# KiCad board kim-1.kicad_pcb (continued)
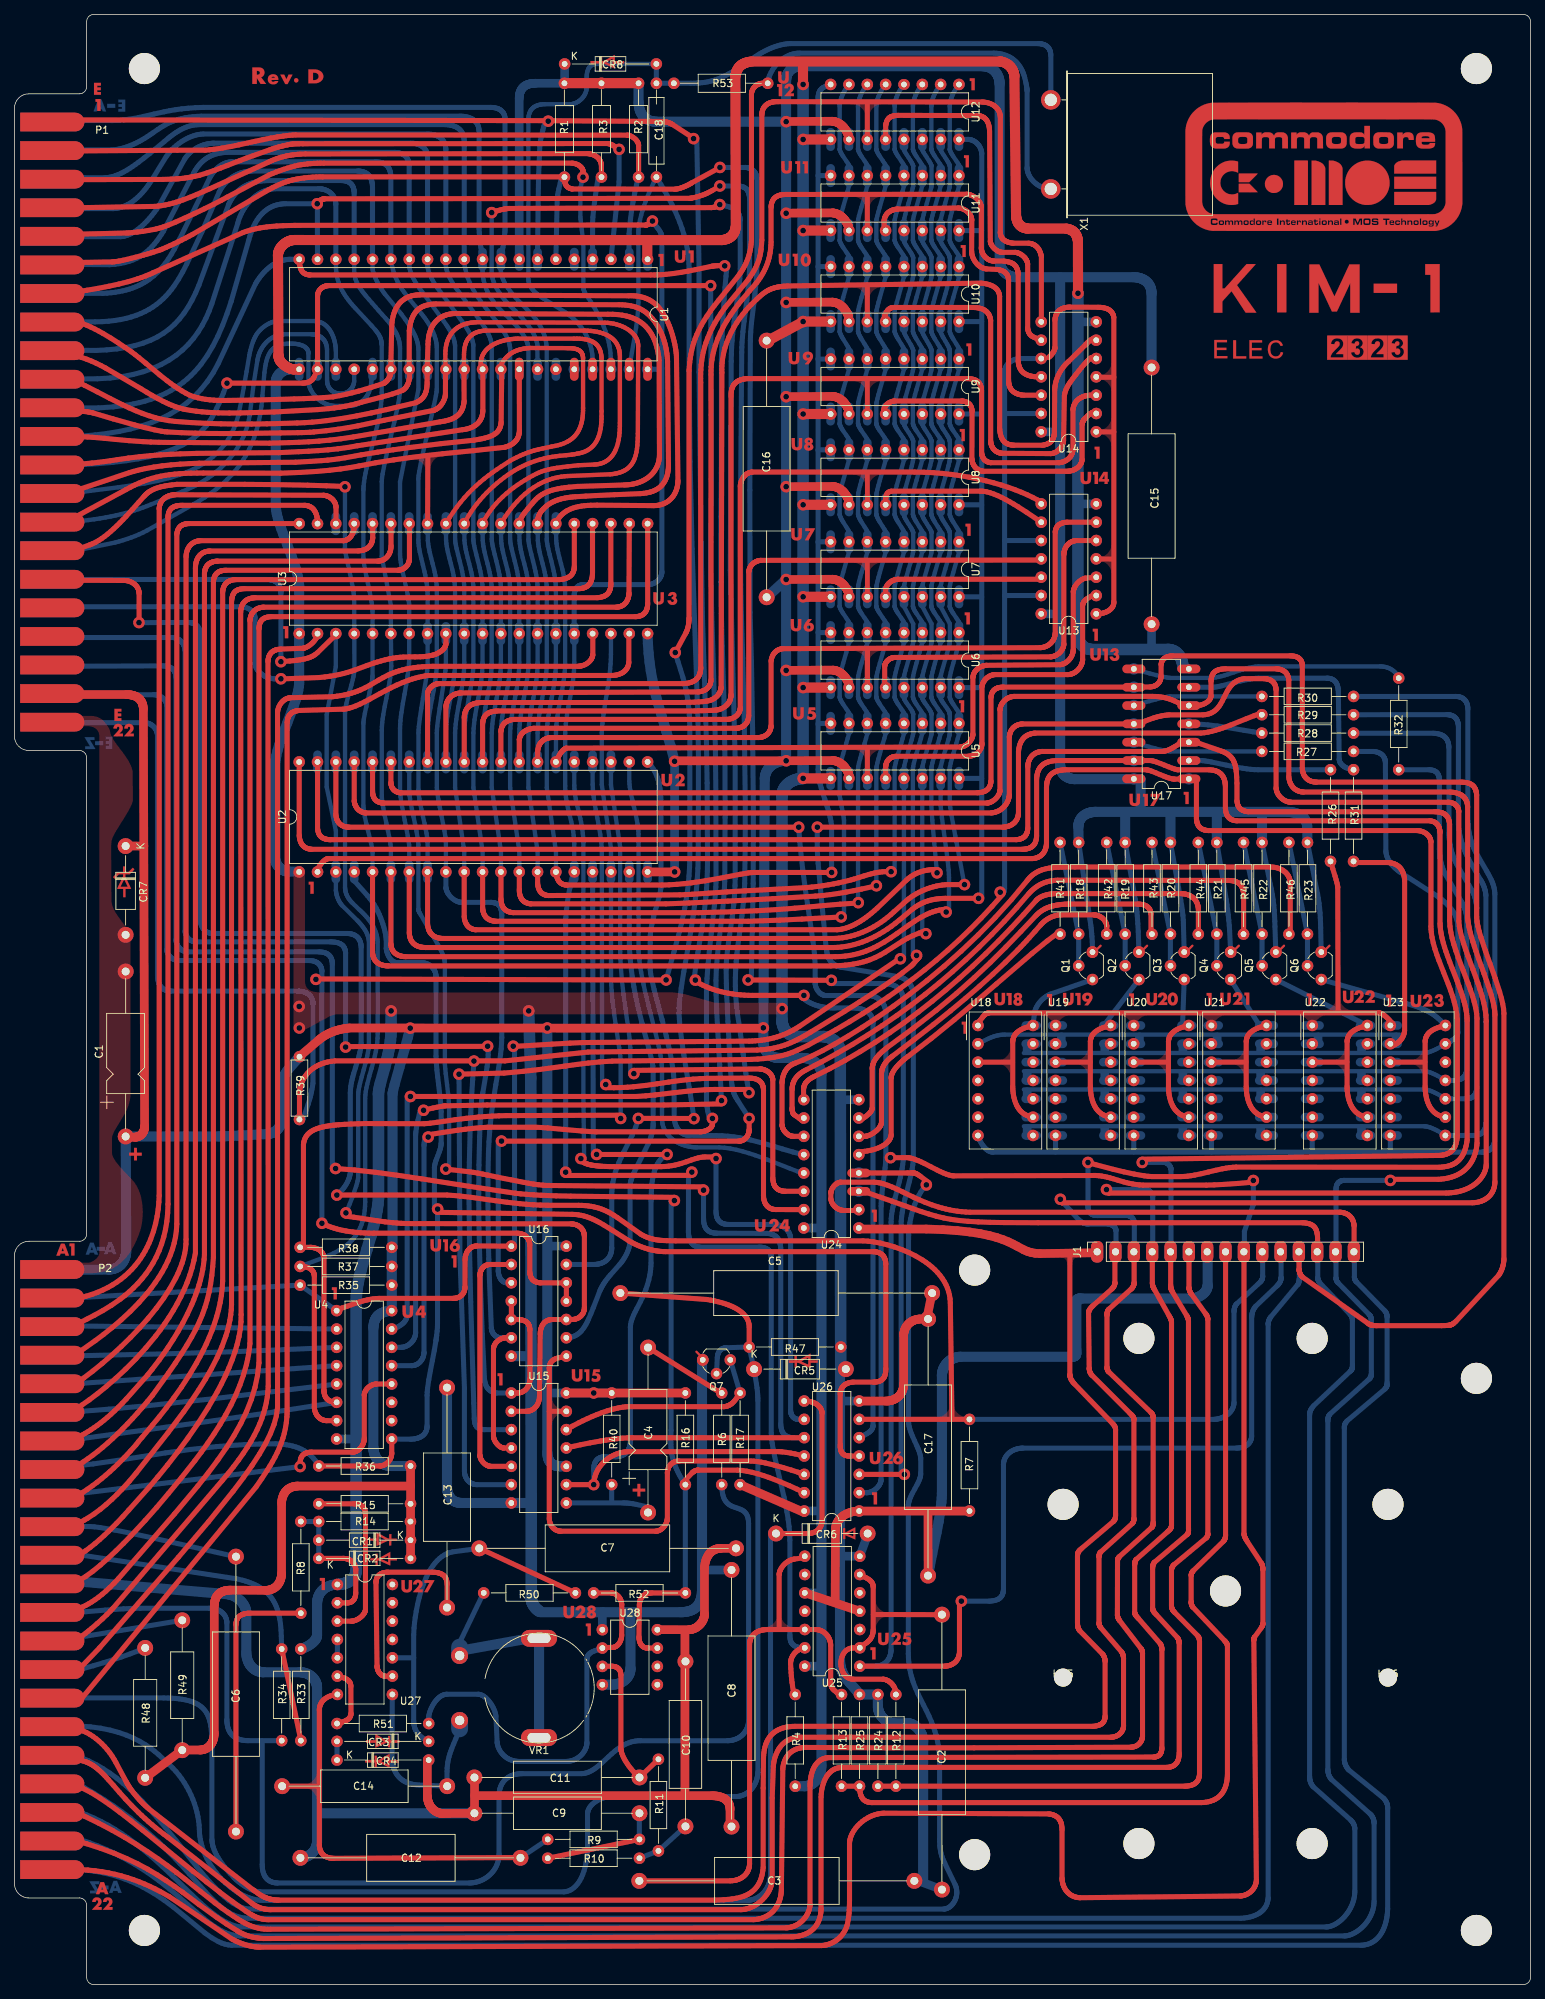
[diagram p0: board, top side]
## Routing (per net, layer and track width the routed paths; a pad name or vN(x,y) marks a point on that pad's centre or on a via; arc(x,y) is an arc through that point) (continued)
/ROW0: length 277.9
  Top w0.7: 146.19,101.46 146.19,84.53 146.19,84.48 146.19,84.43 146.2,84.38 146.2,84.33 146.21,84.28 146.22,84.24 146.24,84.15 146.27,84.06 146.31,83.97 146.35,83.89 146.39,83.8 146.44,83.73 146.49,83.65 146.54,83.57 146.6,83.5 146.66,83.42 146.72,83.35 146.85,83.21 152.01,77.85 152.11,77.74 152.21,77.63 152.26,77.58 152.3,77.52 152.34,77.47 152.37,77.41 152.41,77.36 152.43,77.3 152.46,77.23 152.48,77.16 152.5,77.09 152.51,77.01 152.52,76.92 152.52,76.82 152.52,65.3 152.52,65.11 152.52,65.02 152.51,64.94 152.51,64.85 152.5,64.78 152.49,64.7 152.47,64.63 152.46,64.57 152.44,64.5 152.42,64.47 152.41,64.44 152.4,64.41 152.38,64.38 152.36,64.35 152.34,64.32 152.32,64.29 152.3,64.27 152.28,64.24 152.25,64.21 152.23,64.18 152.2,64.16 147.84,60.45 147.68,60.31 147.62,60.25 147.55,60.19 147.5,60.13 147.45,60.07 147.41,60.02 147.37,59.96 147.34,59.9 147.33,59.87 147.32,59.84 147.31,59.81 147.3,59.77 147.28,59.7 147.26,59.63 147.25,59.55 147.25,59.46 147.24,59.36 147.24,50.13 147.25,49.99 147.25,49.85 147.26,49.78 147.27,49.71 147.28,49.64 147.29,49.57 147.31,49.5 147.33,49.43 147.36,49.36 147.39,49.29 147.43,49.22 147.47,49.15 147.52,49.08 147.57,49.01 150.68,45.84 150.72,45.79 150.76,45.74 150.8,45.68 150.84,45.62 150.87,45.57 150.9,45.5 150.93,45.44 150.96,45.37 150.98,45.3 151,45.23 151.02,45.16 151.04,45.09 151.05,45.01 151.06,44.93 151.07,44.86 151.07,44.78 151.07,37.2 151.07,37.11 151.06,37.03 151.05,36.95 151.04,36.88 151.02,36.8 151,36.73 150.98,36.66 150.95,36.6 150.92,36.53 150.89,36.47 150.86,36.42 150.82,36.36 150.77,36.31 150.73,36.26 150.68,36.21 150.62,36.17 150.57,36.12 150.51,36.08 150.44,36.05 150.38,36.01 150.31,35.98 150.23,35.95 150.07,35.9 149.9,35.85 149.72,35.82 149.52,35.8 149.31,35.78 108.09,35.78 107.76,35.77 107.44,35.75 107.15,35.71 106.87,35.66 106.6,35.6 106.35,35.52 106.12,35.44 105.9,35.35 105.69,35.24 105.49,35.13 105.31,35.01 105.14,34.88 104.99,34.74 104.84,34.59 104.71,34.44 104.59,34.28 104.47,34.12 104.37,33.95 104.28,33.78 104.19,33.61 104.12,33.43 104.05,33.25 103.94,32.88 103.86,32.51 103.8,32.14 103.77,31.77 103.75,31.42 103.71,27.21 103.71,16.2 103.67,15.82 103.61,15.47 103.54,15.13 103.45,14.82 103.35,14.52 103.24,14.25 103.11,13.99 102.97,13.75 102.82,13.53 102.66,13.33 102.48,13.14 102.3,12.97 102.1,12.82 101.89,12.67 101.68,12.54 101.45,12.43 101.22,12.32 100.98,12.23 100.48,12.07 99.95,11.95 99.39,11.86 98.82,11.8 98.24,11.76 97.04,11.7 36.62,11.7 36.43,11.71 36.25,11.72 36.08,11.74 35.92,11.76 35.76,11.78 35.61,11.81 35.46,11.84 35.32,11.87 35.18,11.91 35.05,11.95 34.92,12 34.8,12.05 34.68,12.09 34.57,12.14 34.36,12.25 34.16,12.36 33.97,12.48 33.79,12.6 33.63,12.72 33.31,12.95 33.16,13.06 33.01,13.16 18.62,24.34 18.34,24.58 18.08,24.82 17.81,25.07 17.56,25.33 17.32,25.58 17.09,25.84 16.88,26.09 16.67,26.35 16.47,26.6 16.29,26.84 16.12,27.08 15.96,27.31 15.82,27.52 15.69,27.73 15.58,27.93 15.48,28.11 14.06,30.75 13.8,31.23 13.51,31.69 13.19,32.13 12.85,32.56 12.49,32.98 12.11,33.37 11.71,33.74 11.29,34.08 10.86,34.39 10.42,34.68 9.98,34.93 9.52,35.14 9.06,35.32 8.83,35.39 8.6,35.45 8.37,35.5 8.14,35.54 7.91,35.57 7.68,35.58
  Top w1.2: 117.07,104.69 126.28,104.69 128.6,104.61 130.6,104.47 132.31,104.28 133.78,104.06 135.02,103.8 136.06,103.51 136.93,103.22 137.67,102.92 138.3,102.62 138.84,102.33 139.81,101.82 140.28,101.61 140.79,101.45 141.37,101.34 142.03,101.29 149.99,101.41
/ROW1: length 370.9
  Top w0.7: 116.94,107.26 114.93,107.26 114.83,107.27 114.72,107.28 114.63,107.3 114.53,107.32 114.44,107.34 114.34,107.37 114.26,107.4 114.17,107.44 114.09,107.48 114.01,107.52 113.93,107.57 113.86,107.62 113.79,107.67 113.72,107.72 113.66,107.78 113.6,107.84 113.49,107.96 113.39,108.09 113.3,108.22 113.23,108.36 113.17,108.49 113.13,108.63 113.1,108.77 113.08,108.91 113.08,109.65 113.08,109.72 113.09,109.79 113.1,109.85 113.12,109.92 113.14,109.99 113.16,110.05 113.21,110.18 113.27,110.31 113.35,110.44 113.43,110.56 113.52,110.67 113.62,110.77 113.72,110.87 113.78,110.91 113.84,110.95 113.89,110.99 113.95,111.03 114.01,111.06 114.07,111.09 114.13,111.11 114.2,111.14 114.26,111.15 114.32,111.17 114.39,111.18 114.45,111.18 119.12,111.18 119.41,111.16 119.71,111.11 120.01,111.05 120.31,110.97 120.94,110.76 121.59,110.5 122.27,110.2 122.98,109.86 124.49,109.12 125.3,108.75 126.16,108.39 127.06,108.04 128.01,107.73 128.51,107.59 129.01,107.47 129.53,107.35 130.07,107.25 130.62,107.17 131.18,107.1 131.77,107.05 132.36,107.02 183.53,107.02 183.64,107.02 183.74,107.01 183.85,107 183.95,106.98 184.05,106.96 184.15,106.93 184.24,106.9 184.34,106.87 184.42,106.84 184.51,106.8 184.59,106.75 184.67,106.7 184.75,106.65 184.83,106.6 184.9,106.54 184.96,106.48 185.03,106.42 185.09,106.35 185.15,106.28 185.2,106.21 185.25,106.13 185.3,106.05 185.34,105.97 185.38,105.89 185.42,105.8 185.45,105.71 185.48,105.62 185.5,105.52 185.52,105.42 185.54,105.33 185.55,105.22 185.56,105.12 185.56,101.51
  Bottom w0.7: 185.6,101.57 185.6,98.07 185.6,98.02 185.6,97.98 185.61,97.93 185.61,97.88 185.63,97.84 185.64,97.79 185.65,97.74 185.67,97.7 185.69,97.65 185.71,97.61 185.73,97.57 185.76,97.52 185.79,97.48 185.82,97.44 185.86,97.4 185.9,97.36 189.77,93.39 189.83,93.33 189.88,93.27 189.93,93.21 189.96,93.15 190,93.09 190.02,93.03 190.05,92.98 190.07,92.92 190.08,92.86 190.1,92.81 190.1,92.75 190.11,92.69 190.12,92.64 190.12,92.58 190.13,92.46 190.13,83.41 190.13,83.25 190.12,83.18 190.12,83.11 190.11,83.05 190.1,83 190.1,82.97 190.09,82.94 190.08,82.92 190.08,82.89 190.07,82.87 190.06,82.84 190.04,82.82 190.03,82.79 190.02,82.77 190,82.74 189.99,82.72 189.97,82.69 189.95,82.67 189.93,82.64 189.88,82.59 189.82,82.53 189.76,82.47 184.57,78.09 184.48,77.98 184.41,77.88 184.38,77.83 184.34,77.78 184.32,77.73 184.29,77.68 184.27,77.62 184.25,77.56 184.24,77.5 184.22,77.43 184.21,77.36 184.21,77.28 184.2,77.19 184.21,77.09 184.21,31.23 184.21,31.13 184.21,31.03 184.23,30.93 184.25,30.83 184.27,30.73 184.3,30.63 184.33,30.53 184.37,30.43 184.42,30.34 184.46,30.25 184.51,30.15 184.57,30.06 184.63,29.98 184.69,29.89 184.75,29.81 184.82,29.73 189.63,25.83 189.73,25.72 189.81,25.62 189.88,25.52 189.95,25.42 190,25.32 190.05,25.23 190.09,25.14 190.12,25.05 190.15,24.97 190.17,24.88 190.18,24.8 190.2,24.71 190.2,24.63 190.21,24.54 190.21,24.46 190.21,24.38 190.21,10.5 190.18,9.96 190.15,9.7 190.12,9.45 190.07,9.2 190.03,8.95 189.97,8.71 189.91,8.48 189.84,8.26 189.77,8.04 189.69,7.83 189.6,7.63 189.51,7.43 189.41,7.24 189.3,7.06 189.19,6.89 189.06,6.73 188.94,6.57 188.8,6.43 188.66,6.29 188.52,6.16 188.36,6.05 188.2,5.94 188.03,5.84 187.86,5.75 187.68,5.68 187.49,5.61 187.3,5.55 187.1,5.51 186.9,5.48 186.68,5.46 186.47,5.45 30.08,5.45 29.62,5.49 29.17,5.6 28.71,5.75 28.25,5.95 27.33,6.48 26.38,7.15 22.03,10.72 20.74,11.69 19.34,12.62 17.81,13.5 17,13.91 16.15,14.29 15.26,14.64 14.33,14.96 13.36,15.24 12.35,15.48 11.29,15.67 10.18,15.82 9.03,15.92 7.82,15.96
/ROW2: length 348.5
  Top w0.7: 180.47,101.52 180.47,101.93 180.48,102.32 180.5,103.06 180.5,103.41 180.48,103.74 180.47,103.9 180.45,104.05 180.42,104.19 180.38,104.33 180.34,104.47 180.29,104.59 180.24,104.71 180.17,104.83 180.09,104.93 180,105.03 179.9,105.12 179.79,105.21 179.67,105.28 179.53,105.35 179.38,105.41 179.21,105.46 179.03,105.5 178.83,105.53 178.62,105.55 178.39,105.56 141.8,105.56 137.03,105.59 135.14,105.62 133.51,105.68 132.1,105.76 130.86,105.88 129.74,106.03 128.7,106.23 127.69,106.47 126.67,106.77 125.58,107.12 124.39,107.53 121.48,108.57 117.57,109.92
  Bottom w0.7: 180.52,101.57 180.52,97.94 180.52,97.89 180.53,97.84 180.53,97.8 180.54,97.75 180.55,97.7 180.56,97.66 180.58,97.61 180.6,97.57 180.62,97.52 180.64,97.48 180.66,97.44 180.69,97.39 180.72,97.35 180.75,97.31 180.78,97.27 180.82,97.23 185,92.86 185.06,92.8 185.11,92.74 185.15,92.68 185.19,92.63 185.22,92.57 185.24,92.52 185.26,92.47 185.28,92.41 185.29,92.36 185.3,92.31 185.31,92.26 185.31,92.21 185.32,92.1 185.33,91.98 185.32,85.9 185.32,85.74 185.32,85.67 185.32,85.6 185.32,85.54 185.31,85.48 185.3,85.43 185.29,85.4 185.29,85.37 185.28,85.35 185.27,85.32 185.26,85.3 185.25,85.27 185.24,85.25 185.22,85.22 185.21,85.2 185.19,85.17 185.17,85.14 185.15,85.12 185.13,85.09 185.1,85.06 185.05,85 184.98,84.94 179.95,80.2 179.76,79.95 179.71,79.89 179.67,79.82 179.62,79.75 179.58,79.67 179.54,79.6 179.5,79.52 179.47,79.43 179.44,79.35 179.42,79.26 179.41,79.16 179.4,79.07 179.4,79.02 179.4,78.97 179.4,28.83 179.4,28.73 179.4,28.63 179.41,28.53 179.42,28.44 179.44,28.34 179.46,28.25 179.48,28.16 179.51,28.07 179.55,27.98 179.59,27.89 179.63,27.8 179.68,27.72 179.73,27.64 179.78,27.56 179.85,27.48 179.91,27.4 185.07,22.82 185.13,22.75 185.2,22.68 185.26,22.61 185.31,22.54 185.37,22.46 185.41,22.39 185.46,22.31 185.5,22.23 185.54,22.15 185.57,22.06 185.6,21.98 185.62,21.9 185.64,21.81 185.65,21.73 185.66,21.64 185.66,21.56 185.66,12.96 185.65,12.71 185.63,12.46 185.6,12.21 185.55,11.96 185.49,11.72 185.43,11.49 185.35,11.26 185.26,11.03 185.16,10.81 185.06,10.6 184.94,10.39 184.82,10.19 184.69,9.99 184.56,9.8 184.42,9.62 184.27,9.45 184.12,9.28 183.96,9.13 183.8,8.98 183.64,8.84 183.48,8.71 183.31,8.59 183.14,8.48 182.97,8.38 182.8,8.29 182.63,8.21 182.47,8.14 182.3,8.08 182.13,8.04 181.97,8.01 181.81,7.99 181.66,7.98 31.41,7.98 30.88,8.05 30.35,8.19 29.82,8.4 29.27,8.66 28.72,8.97 28.17,9.34 27.02,10.22 25.84,11.25 24.6,12.41 21.95,14.99 20.52,16.35 19.01,17.71 17.41,19.04 15.72,20.32 14.84,20.93 13.93,21.51 13,22.06 12.03,22.58 11.04,23.06 10.02,23.5 8.97,23.89 7.89,24.24
/ROW3: length 243
  Top w0.7: 116.95,112.47 123.71,112.47 124.13,112.47 124.29,112.47 124.43,112.47 124.56,112.46 124.62,112.45 124.68,112.44 124.73,112.43 124.79,112.41 124.85,112.39 124.91,112.36 124.97,112.33 125.03,112.3 125.17,112.21 125.33,112.11 125.52,111.97 126.66,111.11
  Bottom w0.7: 126.3,110.82 126.03,110.51 125.78,110.17 125.54,109.81 125.31,109.42 125.09,109.01 124.89,108.57 124.7,108.11 124.53,107.63 124.38,107.14 124.25,106.62 124.13,106.1 124.03,105.56 123.95,105 123.89,104.44 123.86,103.86 123.84,103.28 123.84,78.01 123.85,77.86 123.86,77.7 123.92,77.38 124,77.04 124.11,76.71 124.23,76.37 124.37,76.02 124.68,75.34 124.99,74.66 125.13,74.34 125.26,74.02 125.37,73.71 125.45,73.41 125.51,73.12 125.52,72.99 125.53,72.85 125.53,70.84 125.53,70.71 125.51,70.58 125.49,70.45 125.46,70.32 125.43,70.19 125.38,70.05 125.27,69.78 125.15,69.51 125.01,69.23 124.7,68.67 124.38,68.09 124.24,67.8 124.1,67.51 123.99,67.22 123.94,67.07 123.9,66.93 123.87,66.78 123.84,66.63 123.82,66.49 123.81,66.34 123.81,45.83 123.83,45.27 123.87,44.73 123.93,44.21 124.01,43.72 124.11,43.24 124.22,42.78 124.35,42.34 124.49,41.91 124.8,41.08 125.15,40.29 125.9,38.77 126.29,38 126.67,37.22 127.02,36.41 127.35,35.54 127.5,35.09 127.64,34.62 127.76,34.13 127.87,33.62 127.97,33.09 128.05,32.54 128.11,31.96 128.14,31.35 128.14,20.17 128.16,19.75 128.18,19.34 128.19,19.13 128.22,18.93 128.24,18.72 128.28,18.52 128.32,18.31 128.37,18.1 128.43,17.89 128.49,17.68 128.57,17.46 128.66,17.24 128.76,17.02 128.87,16.8 130.29,13.85 130.36,13.7 130.41,13.55 130.45,13.4 130.49,13.24 130.51,13.09 130.52,12.94 130.53,12.79 130.52,12.64 130.51,12.5 130.49,12.35 130.46,12.21 130.43,12.07 130.38,11.94 130.33,11.81 130.28,11.68 130.22,11.55 130.15,11.44 130.08,11.32 130,11.21 129.92,11.11 129.83,11.02 129.74,10.93 129.65,10.84 129.55,10.77 129.45,10.7 129.35,10.64 129.25,10.59 129.14,10.54 129.03,10.51 128.92,10.48 128.82,10.47 128.71,10.46 32.6,10.46 32.03,10.52 31.45,10.68 30.86,10.94 30.27,11.27 29.67,11.69 29.06,12.19 28.44,12.75 27.82,13.38 26.54,14.79 25.21,16.39 22.39,19.93 20.89,21.79 19.32,23.63 17.68,25.41 16.83,26.26 15.96,27.08 15.07,27.87 14.16,28.61 13.22,29.3 12.26,29.93 11.28,30.5 10.27,31 9.24,31.43 8.18,31.78
  vias: v1(126.31,110.81)
/SYNC: length 308.8
  Top w0.7: 94.1,255.82 91.2,257.72 91.11,257.77 91.03,257.82 90.95,257.86 90.86,257.91 90.78,257.94 90.69,257.98 90.6,258.01 90.52,258.04 90.43,258.07 90.33,258.09 90.24,258.11 90.15,258.13 90.05,258.14 89.96,258.15 89.86,258.16 89.77,258.16 73.92,258.28 7.14,258.39 ; 94.13,139.19 94.53,138.93 94.94,138.69 95.38,138.46 95.84,138.25 96.32,138.06 96.82,137.89 97.33,137.73 97.85,137.59 98.39,137.47 98.93,137.36 99.47,137.27 100.03,137.2 100.58,137.14 101.13,137.1 101.68,137.08 102.23,137.07 109.36,137.07
  Bottom w0.7: 72.45,239.06 72.46,240.67 72.58,249.88 72.61,250.84 72.66,252.1 72.77,254.81 72.78,254.96 72.8,255.13 72.87,255.53 72.96,255.99 73.07,256.48 73.19,256.98 73.31,257.45 73.43,257.87 73.54,258.21 ; 117.01,75.77 117.15,75.85 117.29,75.93 117.61,76.09 117.77,76.17 117.93,76.26 118.08,76.35 118.23,76.44 118.31,76.49 118.38,76.54 118.44,76.59 118.51,76.65 118.57,76.7 118.62,76.76 118.68,76.82 118.73,76.89 118.77,76.95 118.81,77.02 118.84,77.09 118.87,77.17 118.89,77.24 118.91,77.32 118.92,77.41 118.92,77.49 118.92,133.2 118.92,133.35 118.9,133.49 118.88,133.63 118.85,133.76 118.82,133.88 118.78,134 118.73,134.11 118.67,134.22 118.61,134.32 118.55,134.41 118.48,134.5 118.4,134.59 118.32,134.67 118.23,134.74 118.14,134.81 118.04,134.87 117.94,134.93 117.84,134.99 117.62,135.08 117.38,135.16 117.14,135.23 116.89,135.27 116.63,135.3 116.36,135.32 116.09,135.33 113.62,135.33 113.33,135.33 113.05,135.34 112.78,135.36 112.52,135.38 112.28,135.42 112.04,135.45 111.81,135.49 111.6,135.54 111.4,135.59 111.2,135.65 111.02,135.71 110.84,135.77 110.68,135.83 110.52,135.89 110.37,135.96 110.24,136.02 110.11,136.09 109.99,136.16 109.88,136.22 109.78,136.28 109.61,136.4 109.47,136.51 109.36,136.6 109.28,136.67 109.22,136.73 ; 94.51,255.79 94.83,237.8 94.83,223.45 95.11,199.89 95.31,188.95 95.68,177.73 95.85,172.03 95.94,166.5 96,155.6 95.98,154.28 95.93,153.03 95.86,151.85 95.77,150.73 95.55,148.64 95.28,146.71 94.67,143.03 94.38,141.16 94.12,139.19
  vias: v1(73.94,258.21) v1(94.07,255.79) v1(94.31,139.19) v1(109.35,137.07)
/~{IRQ}: length 89
  Top w0.7: 7.63,246.2 19.4,246.4 19.9,246.44 20.4,246.51 20.9,246.6 21.39,246.7 21.89,246.83 22.38,246.98 22.87,247.13 23.36,247.3 24.33,247.67 25.27,248.06 27.07,248.85 35.11,252.5 35.42,252.65 35.73,252.78 36.04,252.91 36.36,253.02 36.67,253.13 37,253.22 37.32,253.31 37.64,253.38 37.97,253.44 38.3,253.5 38.63,253.55 38.96,253.59 39.29,253.62 39.63,253.64 40.3,253.67 79.39,253.72 79.53,253.7 79.66,253.68 79.78,253.66 79.9,253.63 80.01,253.6 80.12,253.57 80.22,253.53 80.31,253.48 80.4,253.44 80.49,253.39 80.57,253.34 80.64,253.29 80.71,253.23 80.78,253.17 80.84,253.11 80.89,253.05 80.95,252.99 81,252.93 81.04,252.87 81.08,252.81 81.12,252.74 81.15,252.68 81.2,252.56 81.24,252.44 81.27,252.32 81.29,252.21 81.3,252.12 81.31,250.46
  Bottom w0.7: 80.86,250.48 80.48,247.92 80.33,246.87 80.21,245.83 80.12,244.9 80.08,244.17 80.08,239.06
/~{RDY}: length 95.5
  Top w0.7: 86.46,250.46 86.46,254.86 86.45,254.92 86.44,254.98 86.43,255.04 86.41,255.11 86.39,255.17 86.36,255.23 86.33,255.29 86.3,255.35 86.26,255.41 86.22,255.47 86.13,255.58 86.02,255.69 85.91,255.8 85.79,255.89 85.66,255.98 85.53,256.06 85.4,256.13 85.26,256.18 85.19,256.21 85.12,256.23 85.06,256.24 84.99,256.26 84.92,256.27 84.85,256.27 38.97,256.3 38.53,256.28 38.1,256.25 37.67,256.2 37.24,256.15 36.81,256.08 36.39,256.01 35.54,255.87 34.41,255.65 33.3,255.41 31.09,254.92 29.97,254.7 28.83,254.49 27.65,254.31 27.04,254.24 26.42,254.18 22.59,254.18 7.74,254.08
  Bottom w0.7: 85.16,239.05 85.11,241.82 85.14,242.61 85.21,243.56 85.33,244.63 85.48,245.79 85.68,246.99 85.9,248.2 86.16,249.37 86.3,249.93 86.45,250.46
/~{RES}: length 329.7
  Top w0.7: 107.94,40.28 107.77,41.39 107.71,41.85 107.66,42.29 107.61,42.74 107.57,43.23 107.54,43.8 107.5,44.47 107.5,44.59 107.51,44.71 107.53,44.82 107.55,44.94 107.58,45.05 107.61,45.15 107.65,45.26 107.69,45.36 107.74,45.46 107.8,45.55 107.85,45.64 107.91,45.73 107.98,45.82 108.05,45.9 108.12,45.98 108.19,46.05 108.27,46.12 108.34,46.19 108.43,46.25 108.51,46.31 108.59,46.37 108.67,46.42 108.76,46.46 108.84,46.51 108.93,46.54 109.01,46.58 109.1,46.61 109.18,46.63 109.27,46.65 109.35,46.66 109.43,46.67 109.51,46.68 ; 8.42,234.53 10.02,234.78 11.57,235.04 13.05,235.33 14.47,235.64 15.8,235.98 17.04,236.35 17.62,236.55 18.18,236.76 18.7,236.98 19.2,237.2 31.67,242.78 32.13,242.95 32.59,243.09 33.05,243.21 33.52,243.32 34,243.41 34.47,243.49 34.94,243.55 35.41,243.6 36.33,243.68 37.22,243.73 38.85,243.77 86.34,243.82 87.41,243.8 87.44,243.81 87.48,243.81 87.52,243.81 87.55,243.82 87.62,243.84 87.69,243.86 87.76,243.89 87.83,243.92 87.9,243.96 87.97,244 88.03,244.05 88.09,244.09 88.15,244.14 88.2,244.19 88.25,244.24 88.3,244.28 88.34,244.33 88.38,244.38 ; 76.36,112.12 93.77,112.13
  Bottom w0.127: 89.59,223.83 89.68,223.92
  Bottom w0.6: 77.54,187.18 77.54,183.19 77.53,182.53 77.49,181.89 77.44,181.26 77.36,180.64 77.17,179.43 76.96,178.24 76.73,177.06 76.53,175.88 76.44,175.28 76.37,174.68 76.32,174.06 76.28,173.44 76.28,166.07 76.3,165.5 76.34,164.96 76.4,164.45 76.48,163.96 76.57,163.48 76.67,163.02 76.89,162.11 77.11,161.2 77.21,160.74 77.31,160.25 77.39,159.75 77.46,159.23 77.51,158.68 77.54,158.09 77.54,154.21
  Bottom w0.7: 88.37,244.37 88.46,244.22 88.55,244.09 88.65,243.95 88.76,243.81 88.97,243.54 89.08,243.4 89.19,243.27 89.29,243.13 89.38,242.99 89.46,242.84 89.5,242.77 89.53,242.7 89.57,242.62 89.59,242.54 89.62,242.47 89.64,242.39 89.66,242.31 89.67,242.23 89.68,242.14 89.68,242.06 89.68,223.92 89.68,195.82 89.68,195.72 89.67,195.63 89.66,195.54 89.64,195.45 89.62,195.36 89.59,195.27 89.56,195.18 89.52,195.1 89.48,195.02 89.44,194.94 89.39,194.87 89.34,194.79 89.28,194.72 89.22,194.65 89.16,194.59 89.09,194.52 89.02,194.46 88.95,194.41 88.88,194.35 88.8,194.3 88.72,194.26 88.63,194.21 88.55,194.17 88.46,194.14 88.37,194.1 88.28,194.08 88.18,194.05 88.09,194.03 87.99,194.01 87.89,194 87.79,194 87.69,193.99 78.85,193.99 78.77,193.99 78.69,193.98 78.62,193.97 78.55,193.96 78.48,193.95 78.41,193.93 78.34,193.91 78.28,193.88 78.22,193.86 78.16,193.83 78.11,193.79 78.06,193.76 78.01,193.72 77.96,193.68 77.92,193.64 77.88,193.59 77.84,193.54 77.8,193.49 77.76,193.43 77.73,193.38 77.7,193.32 77.68,193.25 77.65,193.19 77.63,193.12 77.61,193.05 77.59,192.98 77.57,192.9 77.56,192.82 77.55,192.74 77.54,192.66 77.53,192.48 77.53,187.21 ; 109.45,46.65 109.3,46.65 109.15,46.66 109.01,46.67 108.88,46.69 108.76,46.7 108.64,46.73 108.53,46.75 108.42,46.78 108.32,46.81 108.23,46.85 108.14,46.89 108.06,46.93 107.99,46.98 107.92,47.02 107.85,47.08 107.8,47.13 107.74,47.19 107.69,47.25 107.65,47.31 107.61,47.38 107.57,47.45 107.54,47.53 107.51,47.6 107.49,47.68 107.47,47.76 107.45,47.85 107.42,48.03 107.41,48.21 107.41,48.41 107.41,61.58 107.38,62.5 107.29,63.46 107.17,64.45 107.01,65.45 106.82,66.47 106.6,67.5 106.14,69.53 105.68,71.49 105.26,73.33 105.1,74.19 104.96,74.99 104.87,75.72 104.83,76.39 104.83,100.77 104.83,100.86 104.82,100.95 104.81,101.04 104.8,101.12 104.78,101.2 104.76,101.28 104.73,101.35 104.7,101.42 104.67,101.49 104.63,101.55 104.59,101.61 104.55,101.66 104.5,101.72 104.45,101.77 104.4,101.82 104.35,101.86 104.29,101.9 104.23,101.94 104.16,101.97 104.09,102.01 104.02,102.04 103.95,102.06 103.8,102.11 103.64,102.14 103.47,102.17 103.29,102.18 103.11,102.19 94.94,102.19 94.83,102.2 94.73,102.21 94.64,102.22 94.54,102.25 94.46,102.27 94.37,102.31 94.29,102.34 94.21,102.38 94.14,102.43 94.07,102.48 94,102.54 93.93,102.6 93.87,102.66 93.82,102.73 93.77,102.8 93.72,102.87 93.67,102.95 93.63,103.03 93.55,103.2 93.49,103.39 93.44,103.58 93.4,103.78 93.37,103.98 93.35,104.19 93.35,104.41 93.37,112.58 ; 76.35,112.55 76.35,146.93 76.36,147.38 76.38,147.85 76.41,148.35 76.45,148.86 76.58,149.9 76.74,150.95 76.92,151.95 77.13,152.85 77.23,153.25 77.33,153.62 77.44,153.94 77.54,154.21 ; U1.40 89.59,223.83
  vias: v1(76.35,112.57) v1(88.37,244.37) v1(93.83,112.58)
/~{R}/W: length 180.5
  Top w0.7: 68.83,94.7 68.83,92.16 ; 68.84,92.16 69.67,92.16 69.8,92.15 69.93,92.14 70.05,92.13 70.16,92.11 70.27,92.09 70.37,92.07 70.46,92.04 70.55,92.01 70.63,91.98 70.71,91.94 70.78,91.9 70.85,91.86 70.91,91.82 70.97,91.77 71.02,91.72 71.07,91.67 71.12,91.62 71.16,91.56 71.19,91.51 71.23,91.45 71.26,91.39 71.28,91.33 71.33,91.2 71.36,91.07 71.38,90.94 71.39,90.8 71.4,90.67 71.4,83.88 71.39,83.78 71.39,83.67 71.37,83.57 71.35,83.47 71.33,83.37 71.3,83.28 71.27,83.19 71.24,83.1 71.2,83.01 71.16,82.93 71.12,82.85 71.07,82.77 71.02,82.7 70.97,82.63 70.91,82.56 70.85,82.49 70.79,82.43 70.73,82.38 70.66,82.32 70.59,82.27 70.53,82.22 70.45,82.18 70.38,82.14 70.31,82.11 70.23,82.08 70.15,82.05 70.07,82.02 69.99,82.01 69.91,81.99 69.83,81.98 69.75,81.97 69.67,81.97 68.84,81.97 ; 45.89,129.98 65.52,130.01
  Bottom w0.7: 68.81,81.97 66.81,81.97 66.7,81.99 66.6,82 66.5,82.03 66.4,82.05 66.31,82.08 66.22,82.11 66.14,82.15 66.06,82.19 65.98,82.24 65.91,82.29 65.84,82.34 65.77,82.39 65.71,82.45 65.65,82.5 65.6,82.57 65.55,82.63 65.5,82.7 65.45,82.76 65.37,82.9 65.3,83.05 65.25,83.2 65.2,83.36 65.16,83.52 65.13,83.67 65.11,83.83 64.8,90.1 64.51,98.01 64.33,105.8 64.31,109.68 64.34,113.58 64.43,117.51 64.6,121.5 64.64,121.96 64.7,122.47 64.88,123.59 65.29,126.01 65.47,127.2 65.54,127.77 65.59,128.31 65.62,128.81 65.62,129.27 65.6,129.67 65.54,130.02 ; 7.07,186.66 21.9,186.66 21.99,186.66 22.08,186.65 22.17,186.63 22.26,186.61 22.34,186.59 22.43,186.56 22.51,186.53 22.59,186.49 22.66,186.45 22.74,186.41 22.81,186.36 22.88,186.31 22.95,186.26 23.01,186.2 23.07,186.14 23.13,186.08 23.19,186.02 23.24,185.95 23.29,185.88 23.34,185.81 23.39,185.73 23.43,185.66 23.47,185.58 23.5,185.5 23.53,185.42 23.56,185.34 23.58,185.25 23.6,185.17 23.62,185.08 23.63,184.99 23.64,184.9 23.65,184.81 23.65,146.05 23.65,145.98 23.65,145.91 23.66,145.84 23.67,145.77 23.68,145.7 23.7,145.63 23.72,145.56 23.74,145.49 23.77,145.43 23.8,145.36 23.83,145.3 23.86,145.23 23.9,145.17 23.95,145.11 23.99,145.05 24.04,145 24.09,144.94 24.14,144.89 24.2,144.84 24.26,144.79 24.32,144.75 24.38,144.71 24.45,144.67 24.52,144.64 24.6,144.6 24.67,144.58 24.75,144.55 24.84,144.53 24.92,144.51 25.01,144.5 25.1,144.49 25.19,144.49 43.76,144.49 43.96,144.48 44.16,144.47 44.35,144.45 44.54,144.42 44.72,144.38 44.89,144.33 45.05,144.27 45.13,144.23 45.2,144.19 45.27,144.14 45.34,144.09 45.4,144.04 45.47,143.98 45.52,143.92 45.58,143.86 45.63,143.79 45.67,143.71 45.71,143.63 45.75,143.54 45.78,143.45 45.81,143.35 45.83,143.25 45.85,143.14 45.86,143.03 45.87,142.91 45.87,129.91
  vias: v1(45.87,129.91) v1(65.54,130.03)
/~{Ø2}: length 383
  Top w0.7: 42.6,105.49 42.91,105.34 43.23,105.2 43.56,105.06 43.91,104.94 44.27,104.82 44.65,104.71 45.05,104.6 45.47,104.51 45.91,104.43 46.38,104.35 46.87,104.28 47.38,104.23 47.93,104.18 48.5,104.15 49.11,104.13 49.74,104.11 69.67,104.11 69.82,104.1 69.97,104.08 70.13,104.05 70.28,104.01 70.43,103.96 70.5,103.92 70.57,103.89 70.64,103.85 70.7,103.81 70.77,103.77 70.83,103.72 70.89,103.67 70.95,103.61 71,103.55 71.05,103.49 71.1,103.43 71.15,103.36 71.19,103.29 71.23,103.21 71.26,103.13 71.29,103.05 71.32,102.96 71.34,102.87 71.35,102.77 71.37,102.67 71.37,102.57 71.38,102.46 71.38,98.77 71.39,98.61 71.41,98.46 71.44,98.31 71.48,98.17 71.5,98.11 71.53,98.04 71.56,97.98 71.59,97.92 71.62,97.86 71.66,97.8 71.7,97.75 71.74,97.7 71.79,97.65 71.84,97.6 71.89,97.56 71.95,97.51 72.01,97.48 72.07,97.44 72.14,97.41 72.21,97.37 72.28,97.35 72.36,97.32 72.44,97.3 72.53,97.28 72.62,97.27 72.71,97.25 72.81,97.24 72.92,97.24 76.44,97.24 ; 41.83,139.35 90.25,139.19 ; 91.53,184.57 92.96,187.22 93.02,187.33 93.08,187.45 93.13,187.57 93.18,187.69 93.22,187.82 93.26,187.95 93.29,188.08 93.32,188.21 93.35,188.35 93.37,188.49 93.39,188.63 93.41,188.78 93.42,188.93 93.43,189.08 93.44,189.23 93.44,189.39 93.44,223.72 93.54,224.79 93.6,225.33 93.69,225.86 93.8,226.4 93.93,226.95 94.09,227.51 94.29,228.07 94.52,228.66 94.8,229.26 95.12,229.89 95.49,230.53 95.92,231.2 96.4,231.91 96.94,232.64 97.55,233.4 100.25,236.76 100.45,237.03 100.65,237.3 100.83,237.59 101,237.88 101.16,238.17 101.3,238.48 101.44,238.79 101.56,239.1 101.67,239.42 101.77,239.75 101.86,240.08 101.93,240.43 101.99,240.77 102.04,241.12 102.07,241.48 102.09,241.85 102.09,261.97 102.09,262.05 102.1,262.12 102.11,262.2 102.13,262.27 102.15,262.34 102.17,262.41 102.2,262.48 102.23,262.54 102.26,262.61 102.3,262.67 102.33,262.73 102.38,262.79 102.42,262.85 102.47,262.9 102.51,262.96 102.56,263.01 102.62,263.06 102.67,263.1 102.73,263.14 102.79,263.19 102.84,263.22 102.9,263.26 102.97,263.29 103.03,263.32 103.09,263.35 103.16,263.38 103.22,263.4 103.28,263.42 103.35,263.43 103.42,263.44 103.48,263.45 103.55,263.46 104.33,263.48 ; 76.45,94.7 76.45,97.24
  Bottom w0.7: 7.33,178.73 19.28,178.73 19.44,178.72 19.6,178.7 19.76,178.67 19.92,178.62 20.08,178.56 20.22,178.49 20.37,178.41 20.5,178.32 20.56,178.27 20.62,178.21 20.68,178.16 20.73,178.1 20.79,178.04 20.83,177.98 20.88,177.91 20.92,177.84 20.96,177.77 20.99,177.7 21.02,177.62 21.05,177.55 21.07,177.47 21.08,177.38 21.09,177.3 21.1,177.21 21.1,143.49 21.1,143.41 21.11,143.34 21.12,143.26 21.13,143.19 21.15,143.11 21.17,143.04 21.2,142.97 21.23,142.9 21.26,142.83 21.3,142.76 21.34,142.69 21.38,142.63 21.43,142.57 21.48,142.51 21.53,142.45 21.59,142.39 21.65,142.34 21.71,142.29 21.78,142.24 21.84,142.19 21.91,142.15 21.99,142.11 22.06,142.07 22.14,142.04 22.22,142.01 22.3,141.98 22.38,141.96 22.47,141.94 22.56,141.92 22.65,141.91 22.74,141.9 22.83,141.9 40.81,141.9 40.99,141.9 41.17,141.88 41.34,141.85 41.5,141.81 41.58,141.78 41.65,141.75 41.72,141.72 41.8,141.69 41.87,141.65 41.93,141.61 42,141.57 42.06,141.52 42.12,141.47 42.17,141.42 42.22,141.36 42.27,141.3 42.32,141.24 42.36,141.18 42.4,141.11 42.44,141.04 42.47,140.97 42.5,140.89 42.52,140.81 42.54,140.73 42.56,140.65 42.57,140.56 42.58,140.47 42.59,140.37 42.59,105.49 ; 143.54,248.82 143.36,248.83 143.18,248.85 143.01,248.88 142.84,248.91 142.68,248.95 142.52,249 142.36,249.06 142.21,249.12 142.06,249.19 141.92,249.27 141.78,249.35 141.65,249.44 141.53,249.53 141.4,249.62 141.29,249.73 141.18,249.83 141.07,249.94 140.97,250.05 140.88,250.16 140.79,250.28 140.71,250.4 140.63,250.52 140.57,250.65 140.5,250.77 140.45,250.89 140.4,251.02 140.36,251.15 140.33,251.27 140.3,251.4 140.28,251.52 140.27,251.65 140.26,251.77 140.26,262.39 140.26,262.48 140.26,262.58 140.25,262.69 140.23,262.8 140.2,263.03 140.15,263.28 140.1,263.53 140.05,263.77 139.94,264.23 139.87,264.46 139.8,264.67 139.72,264.88 139.64,265.08 139.55,265.27 139.46,265.45 139.36,265.62 139.26,265.79 139.15,265.95 139.03,266.1 138.91,266.24 138.79,266.37 138.66,266.5 138.53,266.62 138.4,266.73 138.26,266.84 138.11,266.94 137.97,267.03 137.82,267.11 137.67,267.19 137.35,267.33 137.03,267.44 136.7,267.52 136.37,267.58 136.02,267.62 135.68,267.64 108.73,267.64 108.52,267.63 108.31,267.61 108.11,267.58 107.91,267.54 107.71,267.48 107.51,267.42 107.32,267.34 107.13,267.26 106.95,267.17 106.76,267.07 106.59,266.96 106.41,266.84 106.25,266.71 106.08,266.58 105.93,266.44 105.77,266.3 105.49,265.99 105.23,265.66 105,265.31 104.79,264.95 104.62,264.58 104.55,264.4 104.48,264.21 104.43,264.02 104.38,263.83 104.35,263.64 104.32,263.45 ; 91.53,184.56 91.9,183.33 92.26,182.22 92.58,181.15 92.74,180.62 92.88,180.06 93.01,179.49 93.13,178.88 93.24,178.24 93.33,177.54 93.41,176.8 93.47,175.98 93.52,175.09 93.55,174.12 93.55,156.13 93.51,154.85 93.44,153.63 93.33,152.45 93.19,151.31 93.03,150.2 92.84,149.13 92.4,147.07 91.9,145.08 91.36,143.13 90.26,139.2